# Altium PCB Iris.PcbDoc (part 8 of 13)
Units mm, origin at the board's own origin, x right, y up, seen from the top; angles counter-clockwise.
Board outline 100 x 72 mm, 6 copper layers (Top Layer, PowerPlane1, MidLayer1, MidLayer2, PowerPlane2, Bottom Layer), stack 1.561 mm thick; 396 components, 379 nets, 1616 pads, 658 vias.
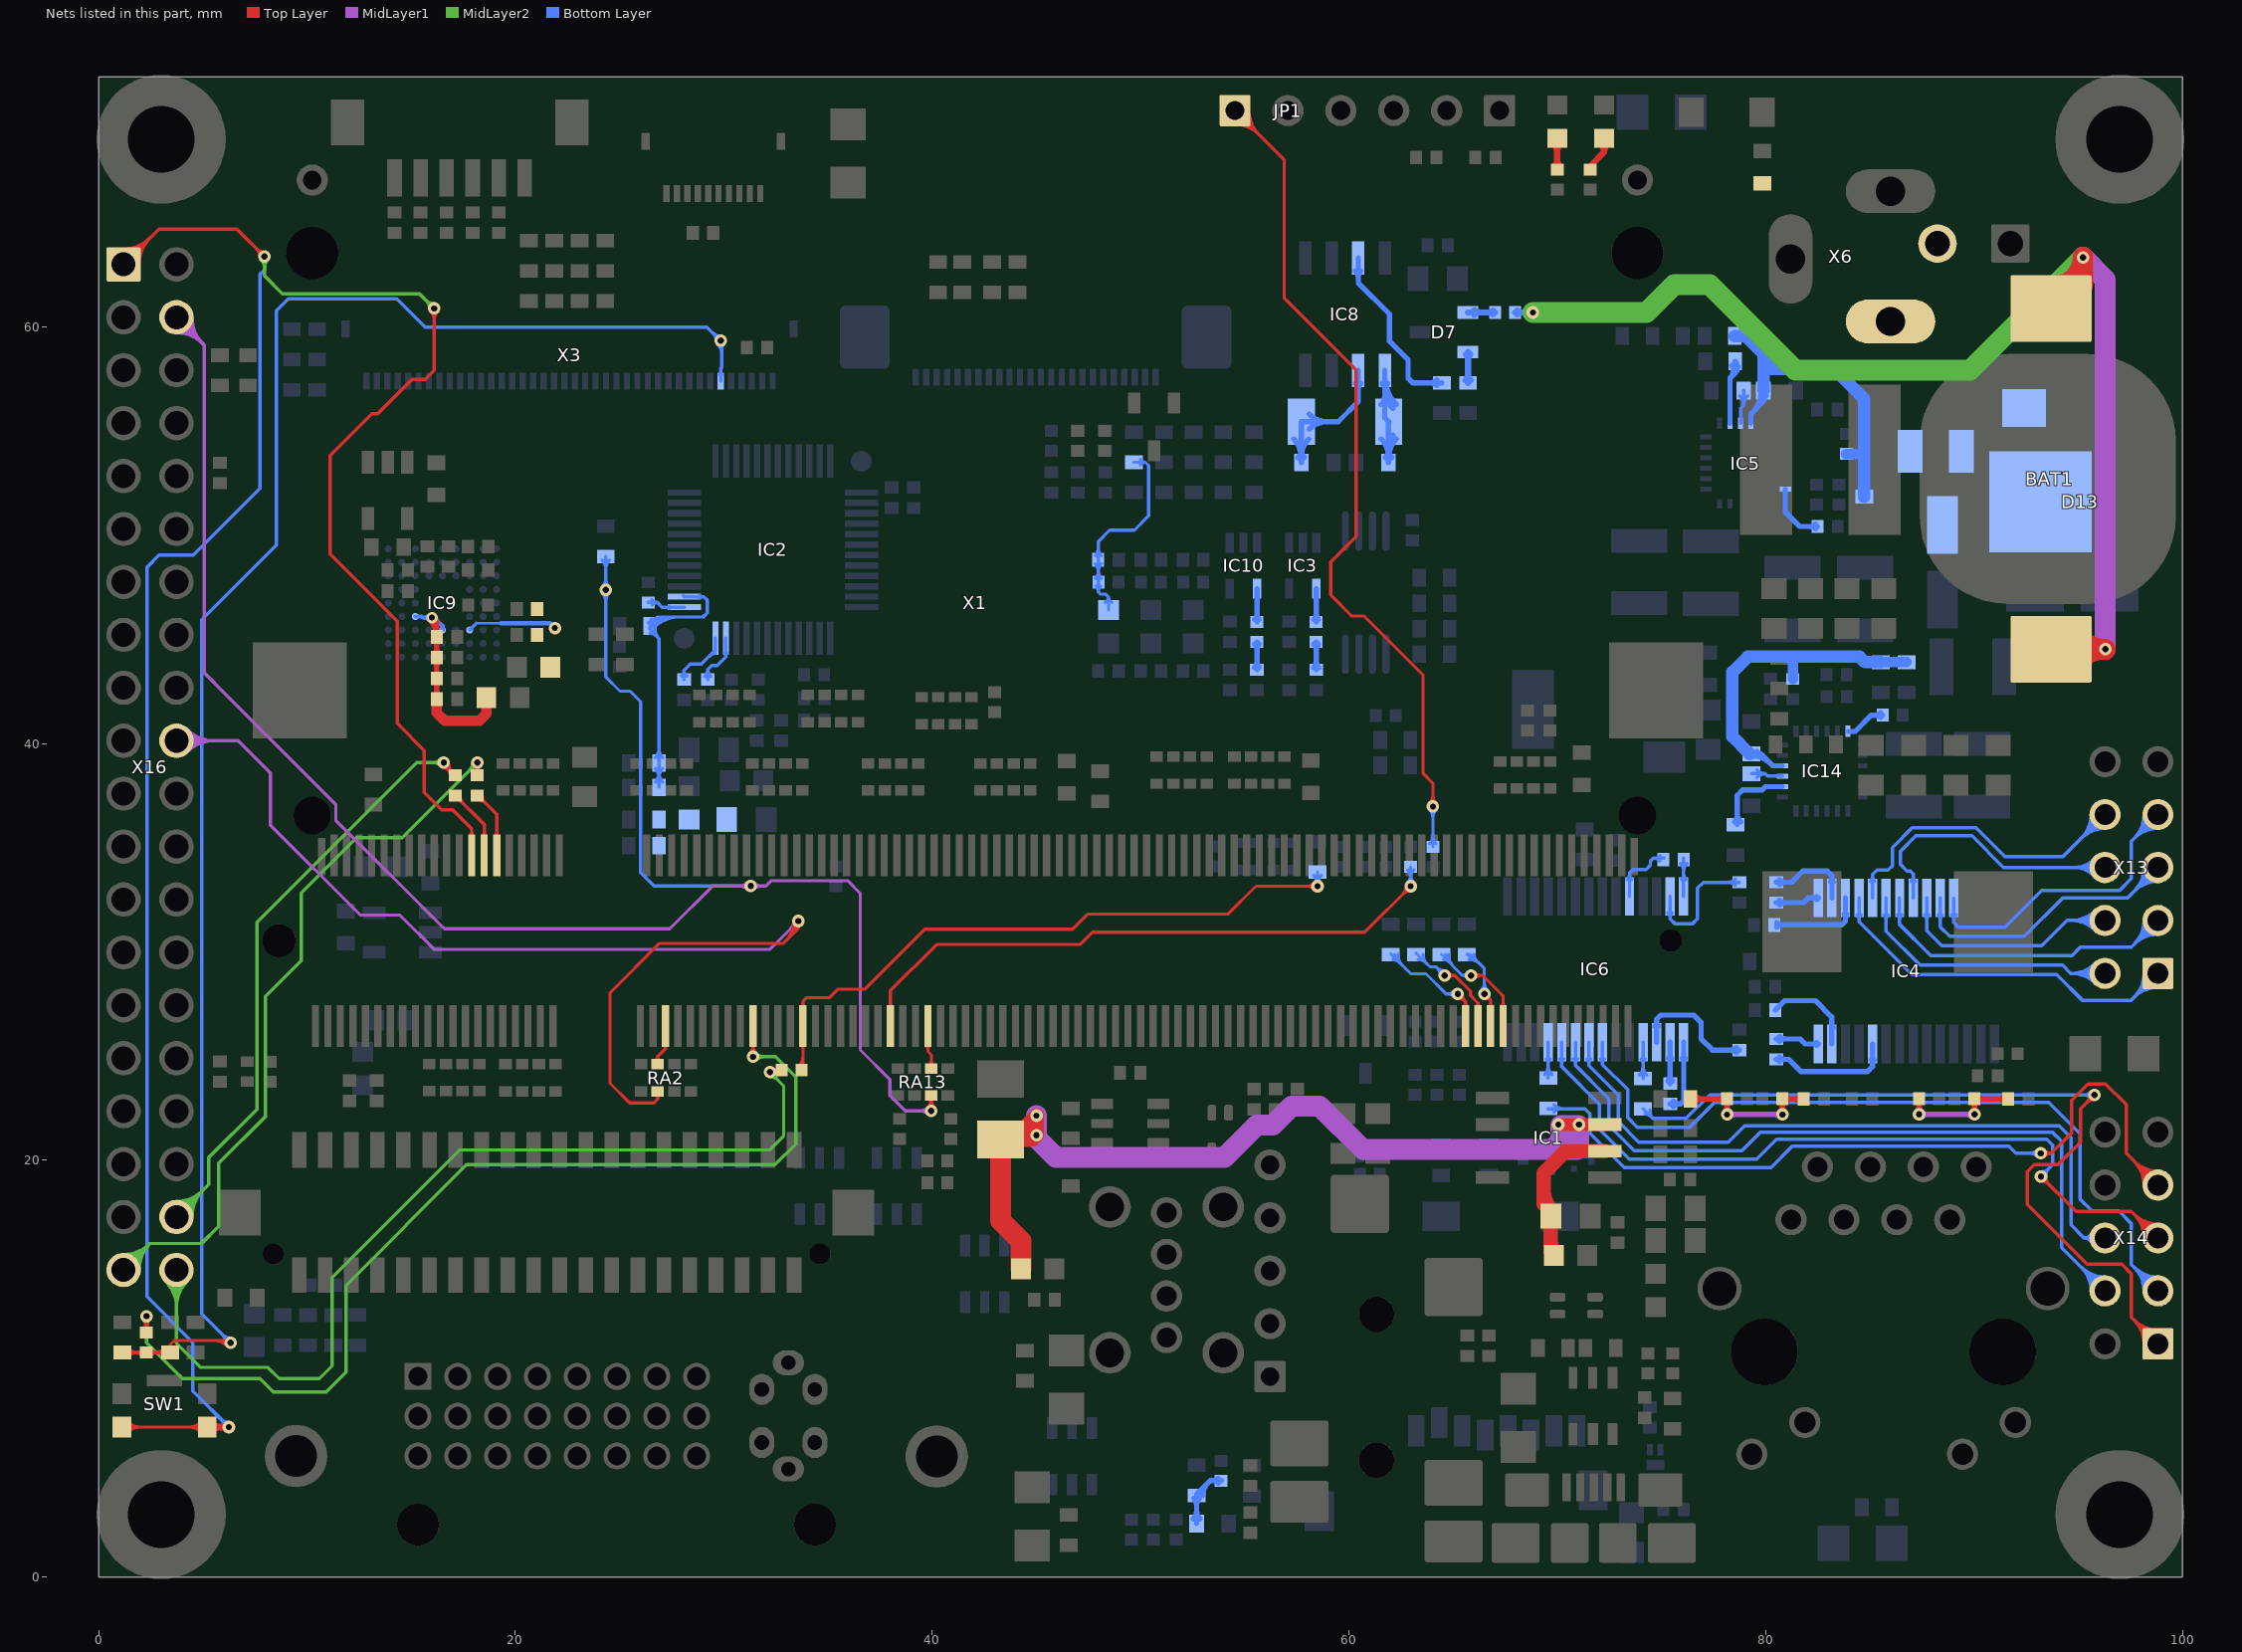
[diagram p12: the nets of this part, all layers, seen from the top]

## Via types
v1: diameter 0.6, hole 0.3, Top Layer to Bottom Layer, tented both sides, 651 vias
v2: diameter 0.55, hole 0.3, Top Layer to Bottom Layer, tented both sides, 7 vias

## Nets (pads, with @x,y where several pads share a name; then routed paths per layer and width w, separated by ;. In a path a pad name is that pad's centre, name@x,y a point inside that pad or via, vN(x,y) a via of type N, cw(c..) or ccw(c..) an arc to the next point about the centre after c; other vN are vias at no path point) (continued)
NetBAT1_1: BAT1.1 R57.1 | length 65.8
  Top Layer w0.6: BAT1.1@93.7,44.53 BAT1.1@94.31,43.92
  Top Layer w1: BAT1.1@93.7,44.53 v1(96.304,44.53) ; BAT1.1@93.7,60.87 95.237,62.407 v1(95.237,63.334) cw(c93.867,63.334) BAT1.1@93.968,61.967 ; BAT1.1@94.043,60.97 ccw(c93.947,62.257) BAT1.1@95.237,62.257 ; BAT1.1@94.917,43.853 cw(c96.304,42.771) v1(96.304,44.53) ; BAT1.1@94.917,45.207 ccw(c96.304,46.289) v1(96.304,44.53)
  MidLayer1 w1: v1(95.237,63.334) 96.304,62.267 v1(96.304,44.53)
  MidLayer2 w1: v1(68.834,60.691) 74.28,60.691 75.616,62.027 77.318,62.027 81.432,57.912 89.815,57.912 v1(95.237,63.334)
  Bottom Layer w0.3: R57.1@67.979,60.691 v1@68.824,60.691 ; R57.1@68.074,60.595 cw(c68.305,60.365) 68.305,60.691 cw(c68.305,61.017) R57.1@68.074,60.786 ; v1@68.728,60.585 ccw(c68.472,60.329) 68.472,60.691 ccw(c68.472,61.053) v1@68.728,60.797
NetC12_1: C12.1 IC2.36 | length 3.8
  Bottom Layer w0.165: C12.1@27.963,43.243 ccw(c27.752,43.51) 28.092,43.51 ; C12.1@28.092,43.081 28.092,43.51 ; C12.1@28.221,43.243 cw(c28.433,43.51) 28.092,43.51 ; 29.341,44.225 cw(c29.6,43.966) IC2.36@29.6,44.333 ; IC2.36@29.6,45.05 29.6,44.484 28.931,43.815 28.397,43.815 28.092,43.51
NetC13_1: C13.1 IC2.35 | length 3.5
  Bottom Layer w0.165: C13.1@29.093,43.232 ccw(c28.784,43.561) 29.235,43.561 ; C13.1@29.235,43.081 29.235,43.561 ; C13.1@29.378,43.232 cw(c29.687,43.561) 29.235,43.561 ; IC2.35@30.052,44.352 cw(c29.937,44.237) 30.1,44.237 cw(c30.263,44.237) IC2.35@30.148,44.352 ; IC2.35@30.1,45.05 30.1,44.146 29.693,43.739 29.413,43.739 29.235,43.561
NetC37_2: C37.2 IC4.27 | length 4.7
  Bottom Layer w0.152: IC4.27@83.173,25.602 IC4.27@83.185,25.59
  Bottom Layer w0.254: C37.2@80.472,27.217 80.915,27.661 82.398,27.661 83.173,26.885 IC4.27@83.173,25.602 ; 83.173,26.556 ccw(c83.451,26.556) IC4.27@83.254,26.359
NetC38_1: C38.1 IC4.24 | length 7
  Bottom Layer w0.254: C38.1@80.508,24.849 81.12,24.849 81.712,24.257 84.887,24.257 85.135,24.505 IC4.24@85.135,25.59 ; C38.1@80.664,24.733 cw(c80.942,24.455) 80.942,24.849 cw(c80.942,25.242) C38.1@80.664,24.964 ; IC4.24@85.066,24.821 cw(c84.898,24.653) 85.135,24.653 cw(c85.372,24.653) IC4.24@85.204,24.821
NetC38_2: C38.2 IC4.28 | length 3.1
  Bottom Layer w0.254: C38.2@80.508,25.829 81.664,25.829 81.903,25.59 IC4.28@82.535,25.59 ; C38.2@80.664,25.713 cw(c80.942,25.435) 80.942,25.829 cw(c80.942,26.222) C38.2@80.664,25.944 ; IC4.28@82.466,25.521 ccw(c82.298,25.353) 82.298,25.59 ccw(c82.298,25.827) IC4.28@82.466,25.659
NetC39_1: C39.1 IC4.3 | length 5.5
  Bottom Layer w0.254: C39.1@80.537,31.184 cw(c80.815,30.906) 80.815,31.299 cw(c80.815,31.693) C39.1@80.537,31.415 ; C39.1@80.549,31.299 83.649,31.299 83.835,31.486 IC4.3@83.835,32.59 ; IC4.3@83.766,31.821 cw(c83.598,31.653) 83.835,31.653 cw(c84.072,31.653) IC4.3@83.904,31.821
NetC40_1: C40.1 IC4.2 | length 5
  Bottom Layer w0.254: C40.1@80.508,33.345 81.25,33.345 81.788,33.884 82.956,33.884 83.185,33.655 IC4.2@83.185,32.59 ; C40.1@80.664,33.23 cw(c80.942,32.952) 80.942,33.345 cw(c80.942,33.739) C40.1@80.664,33.461 ; IC4.2@83.116,33.359 ccw(c82.948,33.527) 83.185,33.527 ccw(c83.422,33.527) IC4.2@83.254,33.359
NetC40_2: C40.2 IC4.1 | length 3.1
  Bottom Layer w0.254: C40.2@80.508,32.365 81.819,32.365 82.044,32.59 IC4.1@82.535,32.59 ; C40.2@80.664,32.25 cw(c80.942,31.972) 80.942,32.365 cw(c80.942,32.759) C40.2@80.664,32.481 ; IC4.1@82.466,32.521 ccw(c82.298,32.353) 82.298,32.59 ccw(c82.298,32.827) IC4.1@82.466,32.659
NetC41_1: C41.1 IC1.7 L17.1 | length 46.9
  Top Layer w0.6: v1(70.053,21.717) IC1.7@72.296,21.717
  Top Layer w0.7: C41.1@43.282,21.004 44.803,21.004 v1(45.009,21.209) v1(45.009,22.149) C41.1@43.864,21.004
  Top Layer w1: C41.1@43.282,21.004 43.282,17.116 44.26,16.138 L17.1@44.26,14.783
  MidLayer1 w1: v1(45.009,22.149) v1(45.009,21.209) 45.009,21.079 45.946,20.142 54.026,20.142 55.575,21.692 56.337,21.692 57.252,22.606 58.598,22.606 60.681,20.523 70.942,20.523 71.044,20.625 71.044,21.666 70.18,21.666 70.18,20.93 69.774,20.523
  Bottom Layer w0.6: v1(70.053,21.717) v1(71.044,21.717)
NetC42_2: C42.2 IC1.6 L18.1 | length 9.4
  Top Layer w0.7: 69.342,18.619 ccw(c70.883,18.619) C42.2@69.793,17.529 ; 69.687,16.119 ccw(c70.501,16.119) L18.1@69.926,15.544 ; L18.1@69.837,15.43 69.687,15.58 69.687,17.562 69.342,17.907 69.342,19.38 70.409,20.447 IC1.6@72.296,20.447
NetC46_2: C46.2 IC6.27 | length 7.5
  Bottom Layer w0.165: IC6.27@75.319,31.869 cw(c75.076,31.626) 75.42,31.626 cw(c75.764,31.626) IC6.27@75.521,31.869 ; IC6.27@75.42,32.67 75.42,31.59 75.667,31.344 76.479,31.344 76.733,31.598 76.733,33.071 77.008,33.345 C46.2@78.74,33.345 ; C46.2@78.553,33.199 ccw(c78.199,32.844) 78.199,33.345 ccw(c78.199,33.846) C46.2@78.553,33.492
NetC47_1: C47.1 IC6.24 | length 4.4
  Bottom Layer w0.165: IC6.24@73.369,33.471 ccw(c73.126,33.714) 73.47,33.714 ccw(c73.814,33.714) IC6.24@73.571,33.471 ; IC6.24@73.47,32.67 73.47,33.795 73.635,33.96 74.27,33.96 74.473,34.163 74.473,34.366 74.618,34.511 ; 74.679,34.511 ccw(c74.679,34.888) C47.1@74.946,34.622 ; C47.1@74.924,34.354 ccw(c74.618,34.133) 74.618,34.511 ; C47.1@75.133,34.511 74.618,34.511
NetC47_2: C47.2 IC6.28 | length 3.2
  Bottom Layer w0.165: C47.2@75.926,34.248 cw(c75.579,33.901) 76.07,33.901 ; IC6.28@75.969,33.471 ccw(c75.726,33.714) 76.07,33.714 ccw(c76.414,33.714) IC6.28@76.171,33.471 ; IC6.28@76.07,32.67 C47.2@76.07,34.511 ; 76.07,33.887 cw(c76.581,33.887) C47.2@76.22,34.248
NetC48_1: C48.1 IC6.3 | length 7.3
  Bottom Layer w0.254: IC6.3@74.701,26.439 ccw(c74.533,26.607) 74.77,26.607 ccw(c75.007,26.607) IC6.3@74.839,26.439 ; IC6.3@74.77,25.67 74.77,26.78 74.965,26.975 76.556,26.975 76.911,26.619 76.911,25.832 77.452,25.291 C48.1@78.74,25.291 ; C48.1@78.585,25.176 ccw(c78.306,24.897) 78.306,25.291 ccw(c78.306,25.685) C48.1@78.585,25.406
NetC49_1: C49.1 IC6.2 | length 3
  Bottom Layer w0.254: C49.1@75.305,23.805 ccw(c75.026,24.084) 75.42,24.084 ccw(c75.814,24.084) C49.1@75.535,23.805 ; IC6.2@75.351,24.901 cw(c75.183,24.733) 75.42,24.733 cw(c75.657,24.733) IC6.2@75.489,24.901 ; C49.1@75.42,23.69 IC6.2@75.42,25.67
NetC49_2: C49.2 IC6.1 | length 4.5
  Bottom Layer w0.254: C49.2@75.42,22.71 75.923,22.71 76.07,22.857 IC6.1@76.07,25.67 ; C49.2@75.575,22.595 cw(c75.854,22.316) 75.854,22.71 cw(c75.854,23.104) C49.2@75.575,22.825 ; IC6.1@76.001,24.901 cw(c75.833,24.733) 76.07,24.733 cw(c76.307,24.733) IC6.1@76.139,24.901
NetC50_2: C50.2 R47.1 R48.2 R121.1 | length 13.4
  Top Layer w0.254: R121.1@76.398,22.949 R48.2@78.152,22.949 v1@78.152,22.099 ; R121.1@76.639,22.809 cw(c76.977,22.471) 76.977,22.949 cw(c76.977,23.427) R121.1@76.639,23.089 ; R48.2@77.965,22.837 ccw(c77.695,22.568) 77.695,22.949 ccw(c77.695,23.33) R48.2@77.965,23.061 ; v1@78.03,22.323 ccw(c77.735,22.618) 78.152,22.618 ccw(c78.57,22.618) v1@78.275,22.323 ; R48.2@78.041,22.812 cw(c77.771,22.543) 78.152,22.543 cw(c78.534,22.543) R48.2@78.264,22.812 ; v1@80.687,22.323 ccw(c80.392,22.618) 80.81,22.618 ccw(c81.227,22.618) v1@80.932,22.323 ; R47.1@80.698,22.812 cw(c80.428,22.543) 80.81,22.543 cw(c81.191,22.543) R47.1@80.921,22.812 ; v1(80.81,22.2) R47.1@80.81,22.949 C50.2@81.827,22.949 ; R47.1@80.972,22.837 cw(c81.242,22.568) 81.242,22.949 cw(c81.242,23.33) R47.1@80.972,23.061 ; C50.2@81.636,22.834 ccw(c81.358,22.555) 81.358,22.949 ccw(c81.358,23.343) C50.2@81.636,23.064
  MidLayer1 w0.254: v1(78.152,22.2) v1(80.81,22.2) ; v1@78.275,22.078 cw(c78.57,21.783) 78.57,22.2 cw(c78.57,22.618) v1@78.275,22.323 ; v1@80.687,22.078 ccw(c80.392,21.783) 80.392,22.2 ccw(c80.392,22.618) v1@80.687,22.323
NetC51_2: C51.2 R51.1 R52.2 | length 10.9
  Top Layer w0.254: v1@87.245,22.323 ccw(c86.95,22.619) 87.368,22.619 ccw(c87.785,22.619) v1@87.49,22.323 ; v1(87.368,22.201) R51.1@87.368,22.949 ; v1@89.903,22.323 ccw(c89.607,22.619) 90.025,22.619 ccw(c90.443,22.619) v1@90.147,22.323 ; R52.2@89.913,22.813 cw(c89.644,22.543) 90.025,22.543 cw(c90.407,22.543) R52.2@90.137,22.813 ; v1(90.025,22.201) R52.2@90.025,22.949 C51.2@91.636,22.949 ; R52.2@90.213,22.838 cw(c90.483,22.568) 90.483,22.949 cw(c90.483,23.331) R52.2@90.213,23.061 ; C51.2@91.444,22.834 ccw(c91.166,22.556) 91.166,22.949 ccw(c91.166,23.343) C51.2@91.444,23.065
  MidLayer1 w0.254: v1(87.368,22.201) v1(90.025,22.201) ; v1@87.49,22.079 cw(c87.785,21.783) 87.785,22.201 cw(c87.785,22.619) v1@87.49,22.323 ; 89.607,22.201 cw(c89.607,21.783) 89.903,22.079 ccw(c89.607,21.783) 89.607,22.201 ; 89.607,22.201 ccw(c89.607,22.619) 89.903,22.323 cw(c89.607,22.619) 89.607,22.201
NetC56_2: C56.2 IC8.1 OSC1.2 | length 11.5
  Bottom Layer w0.254: OSC1.2@61.547,54.628 cw(c60.684,53.765) C56.2@61.905,53.765 ; OSC1.2@61.547,56.268 ccw(c61.125,56.69) 61.722,56.69 ; IC8.1@61.6,57.282 cw(c61.304,56.987) 61.722,56.987 cw(c62.14,56.987) IC8.1@61.844,57.282 ; 61.722,57.018 ccw(c63.037,57.018) OSC1.2@62.107,56.088 ; IC8.1@61.722,57.632 ccw(c63.65,57.632) OSC1.2@62.287,56.268 ; IC8.1@61.722,57.904 61.722,55.643 OSC1.2@61.917,55.448 61.905,55.436 C56.2@61.905,53.492 ; C56.2@61.747,53.725 ccw(c61.366,54.106) 61.905,54.106 ccw(c62.443,54.106) C56.2@62.062,53.725 ; C56.2@61.905,53.706 cw(c63.21,53.706) OSC1.2@62.287,54.628 ; 61.905,54.319 cw(c62.596,54.319) OSC1.2@62.107,54.808
NetC57_2: C57.2 IC8.2 OSC1.1 | length 12
  Bottom Layer w0.254: OSC1.1@57.347,54.628 cw(c56.454,53.736) 57.717,53.736 cw(c58.98,53.736) OSC1.1@58.087,54.628 ; C57.2@57.559,53.725 ccw(c57.179,54.106) 57.717,54.106 ccw(c58.255,54.106) C57.2@57.875,53.725 ; C57.2@57.717,53.492 OSC1.1@57.717,55.448 59.487,55.448 60.452,56.413 IC8.2@60.452,57.904 ; OSC1.1@58.087,55.078 cw(c58.98,54.186) 58.98,55.448 cw(c58.98,56.711) OSC1.1@58.087,55.818 ; IC8.2@60.33,57.282 cw(c60.034,56.987) 60.452,56.987 cw(c60.87,56.987) IC8.2@60.574,57.282
NetC59_2: C59.2 IC5.21 R62.1 R64.1 R65.2 | length 19.8
  Bottom Layer w0.25: IC5.21@79.295,55.367 79.295,55.825 79.895,56.426 ; 79.396,55.927 ccw(c78.477,56.846) C59.2@79.773,56.955 ; 79.676,56.206 ccw(c79.079,56.804) C59.2@79.92,56.874 ; C59.2@79.762,56.691 cw(c79.566,56.426) 79.895,56.426 ; C59.2@79.895,56.972 79.895,56.426 ; C59.2@80.029,56.691 ccw(c80.225,56.426) 79.895,56.426
  Bottom Layer w0.5: R64.1@83.871,53.901 84.734,53.901
  Bottom Layer w0.6: R62.1@78.525,59.563 79.045,59.563 80.594,58.014 ; C59.2@79.895,56.947 79.895,58.712 ; 79.895,57.988 83.287,57.988 84.734,56.54 R65.2@84.734,51.855
NetC62_2: C62.2 IC5.20 | length 2.6
  Bottom Layer w0.165: C62.2@78.756,56.681 cw(c78.319,56.235) 78.943,56.235 ; IC5.20@78.797,55.369 78.797,56.09 78.943,56.235 ; C62.2@78.943,56.947 78.943,56.235 ; C62.2@79.13,56.681 ccw(c79.566,56.235) 78.943,56.235
NetC71_2: C71.2 IC14.20 | length 2.4
  Bottom Layer w0.165: C71.2@79.324,38.557 79.985,38.557 ; C71.2@79.601,38.382 cw(c79.985,38.049) 79.985,38.557 ; C71.2@79.601,38.732 ccw(c79.985,39.064) 79.985,38.557 ; IC14.20@80.802,38.434 80.8,38.437 80.105,38.437 79.985,38.557
NetC80_2: C80.2 IC14.21 R71.1 R150.1 R151.2 | length 17.9
  Bottom Layer w0.25: C80.2@79.236,39.509 79.769,39.509 ; C80.2@79.312,39.386 cw(c79.39,38.183) 80.243,39.036 ; C80.2@79.398,39.534 cw(c79.444,38.815) 79.954,39.325 ; C80.2@79.599,39.406 cw(c79.769,39.318) 79.769,39.509 ; C80.2@79.599,39.613 ccw(c79.769,39.701) 79.769,39.509 ; IC14.21@80.802,38.934 80.344,38.934 79.769,39.509
  Bottom Layer w0.5: R150.1@81.305,43.101 81.305,44.143 ; R71.1@85.522,43.905 R151.2@86.766,43.905
  Bottom Layer w0.6: C80.2@79.236,39.509 78.41,40.335 78.41,43.434 79.146,44.171 84.506,44.171 84.771,43.905 R71.1@85.522,43.905
NetC88_2: C88.2 R38.2 R124.1 | length 5.7
  Bottom Layer w0.254: C88.2@52.534,2.798 ccw(c52.154,3.179) 52.692,3.179 ccw(c53.23,3.179) C88.2@52.85,2.798 ; R38.2@52.552,3.783 cw(c52.214,3.445) 52.692,3.445 cw(c53.17,3.445) R38.2@52.832,3.783 ; C88.2@52.692,2.565 R38.2@52.692,3.923 52.692,3.975 53.343,4.625 R124.1@53.873,4.625 ; R38.2@52.99,3.923 cw(c53.834,3.923) 53.237,4.52 ; R124.1@53.737,4.514 ccw(c53.467,4.244) 53.467,4.625 ccw(c53.467,5.007) R124.1@53.737,4.737
NetC102_2: C102.2 L21.1 R6.2 R99.2
NetC121_2: C121.2 C122.2 C123.2 C125.2 IC9.C5 IC9.D3 L9.2 | length 17.1
  Top Layer w0.254: v2@15.887,45.945 cw(c15.077,45.134) C123.2@16.223,45.134 ; v2@15.992,46.075 16.223,45.843 ; v2@16.021,45.904 cw(c16.066,45.686) 16.223,45.843 ; v2@16.067,46.124 cw(c15.69,45.747) 16.223,45.747 ; C121.2@16.108,42.294 ccw(c15.83,42.572) 16.223,42.572 ccw(c16.617,42.572) C121.2@16.338,42.294 ; C122.2@16.108,42.974 cw(c15.83,42.696) 16.223,42.696 cw(c16.617,42.696) C122.2@16.338,42.974 ; C122.2@16.108,43.284 ccw(c15.83,43.563) 16.223,43.563 ccw(c16.617,43.563) C122.2@16.338,43.284 ; C125.2@16.108,43.973 cw(c15.83,43.694) 16.223,43.694 cw(c16.617,43.694) C125.2@16.338,43.973 ; C125.2@16.108,44.283 ccw(c15.83,44.561) 16.223,44.561 ccw(c16.617,44.561) C125.2@16.338,44.283 ; C123.2@16.108,44.963 cw(c15.83,44.685) 16.223,44.685 cw(c16.617,44.685) C123.2@16.338,44.963 ; C123.2@16.108,45.274 ccw(c15.83,45.552) 16.223,45.552 ccw(c16.617,45.552) C123.2@16.338,45.274 ; v2@16.14,46.048 ccw(c16.424,46.044) 16.223,45.843 ; C121.2@16.223,42.139 16.223,45.068 16.223,45.843
  Top Layer w0.5: C121.2@16.223,42.139 16.223,41.486 16.612,41.097 18.263,41.097 18.606,41.44 L9.2@18.606,42.215
  Bottom Layer w0.2: IC9.D3@15.2,46.1 15.495,46.1 15.546,46.049 16.105,46.049 16.5,45.654 IC9.C5@16.5,45.45 ; v2@15.868,45.925 ccw(c15.57,45.627) 15.57,46.049 ccw(c15.57,46.472) v2@15.868,46.173 ; v2@15.992,45.874 cw(c15.992,45.18) 16.483,45.671
  other v2: 15.992,46.049
NetC124_2: C124.2 C126.2 IC9.C7 L10.2 | length 4.6
  Bottom Layer w0.105: 18.125,45.775 19.304,45.775
  Bottom Layer w0.15: IC9.C7@17.8,45.45 18.125,45.775 ; IC9.C7@17.8,45.52 ccw(c17.8,45.689) 17.919,45.569 ccw(c18.039,45.45) IC9.C7@17.87,45.45
  Bottom Layer w0.2: 19.304,45.775 21.662,45.775 v1(21.891,45.546)
NetD7_1: D7.1 R57.2 | length 2.4
  Bottom Layer w0.3: D7.1@65.717,60.691 R57.2@67.019,60.691 ; D7.1@66.023,60.585 cw(c66.279,60.329) 66.279,60.691 cw(c66.279,61.053) D7.1@66.023,60.797 ; R57.2@66.923,60.595 ccw(c66.693,60.365) 66.693,60.691 ccw(c66.693,61.017) R57.2@66.923,60.786
NetD7_2: D7.2 R56.1 | length 2.7
  Bottom Layer w0.3: R56.1@65.593,57.44 ccw(c65.294,57.739) 65.717,57.739 ccw(c66.139,57.739) R56.1@65.841,57.44 ; D7.2@65.611,58.685 cw(c65.355,58.429) 65.717,58.429 cw(c66.079,58.429) D7.2@65.823,58.685 ; R56.1@65.717,57.316 D7.2@65.717,58.791
NetD8_1: D8.1 D13.K F1.2 L29.1
NetIC2_37: IC2.37 R34.2 | length 2.7
  Bottom Layer w0.165: R34.2@26.371,46.774 26.81,46.774 ; R34.2@26.556,46.65 cw(c26.81,46.452) 26.81,46.774 ; R34.2@26.556,46.898 ccw(c26.81,47.096) 26.81,46.774 ; IC2.37@27.402,46.502 ccw(c27.287,46.387) 27.287,46.55 ccw(c27.287,46.713) IC2.37@27.402,46.598 ; IC2.37@28.1,46.55 27.034,46.55 26.81,46.774
NetIC2_38: IC2.38 R29.2 R92.2 R114.2 | length 20.5
  Bottom Layer w0.152: IC2.38@28.044,47.106 IC2.38@28.1,47.05
  Bottom Layer w0.165: R92.2@26.393,45.806 cw(c27.045,45.154) 27.045,46.076 ; R92.2@26.455,45.301 cw(c26.455,44.876) 26.756,45.177 ; R92.2@26.51,45.689 cw(c27.443,44.756) 27.443,46.076 ; R92.2@26.511,45.98 ccw(c26.593,46.33) 26.848,46.076 ; R92.2@26.627,45.572 cw(c27.842,44.357) 27.842,46.076 ; R92.2@26.697,45.533 ccw(c27.346,45.505) 26.887,45.046 ; R92.2@26.698,45.744 cw(c27.136,45.744) 26.826,46.054 ; R29.2@26.716,38.168 ccw(c26.302,38.582) 26.887,38.582 ccw(c27.472,38.582) R29.2@27.058,38.168 ; R114.2@26.716,38.794 cw(c26.302,38.38) 26.887,38.38 cw(c27.472,38.38) R114.2@27.058,38.794 ; R114.2@26.716,39.337 ccw(c26.302,39.751) 26.887,39.751 ccw(c27.472,39.751) R114.2@27.058,39.337 ; R29.2@26.887,37.922 R114.2@26.887,39.065 26.887,45.046 ; IC2.38@28.1,47.05 29.048,47.05 29.21,46.888 29.21,46.279 29.007,46.076 26.848,46.076 ; IC2.38@28.823,47.002 cw(c28.938,46.887) 28.938,47.05 cw(c28.938,47.213) IC2.38@28.823,47.098 ; 26.848,46.076 26.455,45.683 R92.2@26.455,45.644 26.455,45.478 26.887,45.046
NetIC3_4: IC3.4 R97.1 | length 2.2
  Bottom Layer w0.254: R97.1@58.323,45.956 ccw(c58.054,46.226) 58.435,46.226 ccw(c58.816,46.226) R97.1@58.547,45.956 ; R97.1@58.435,45.844 IC3.4@58.435,47.439
NetIC5_6: IC5.6 R68.1 | length 3.6
  Bottom Layer w0.25: IC5.6@80.945,52.217 80.945,51.11 81.636,50.419 R68.1@82.502,50.419 ; R68.1@82.389,50.306 ccw(c82.116,50.033) 82.116,50.419 ccw(c82.116,50.805) R68.1@82.389,50.532
NetIC5_19: IC5.19 R72.2 | length 4.9
  Bottom Layer w0.254: IC5.19@78.295,55.367 78.295,57.543 ; R72.2@78.378,58.147 cw(c77.938,57.9) 78.295,57.543 ; R72.2@78.418,58.097 cw(c78.15,57.799) 78.551,57.799 ; 78.532,57.78 ccw(c78.242,58.07) R72.2@78.599,58.271 ; R72.2@78.551,58.344 78.551,57.799 ; R72.2@78.683,58.097 ccw(c78.952,57.799) 78.551,57.799 ; 78.295,57.543 78.551,57.799
NetIC8_7: IC8.7 R53.1 | length 9.9
  Bottom Layer w0.254: IC8.7@60.33,62.682 cw(c60.034,62.387) 60.452,62.387 cw(c60.87,62.387) IC8.7@60.574,62.682 ; IC8.7@60.452,63.304 60.452,62.103 61.951,60.604 61.951,59.309 62.84,58.42 62.84,57.531 63.054,57.316 R53.1@64.465,57.316 ; R53.1@64.225,57.176 ccw(c63.887,56.838) 63.887,57.316 ccw(c63.887,57.794) R53.1@64.225,57.456
NetIC10_4: IC10.4 R76.1 | length 2.2
  Bottom Layer w0.254: R76.1@55.478,45.956 ccw(c55.209,46.226) 55.59,46.226 ccw(c55.972,46.226) R76.1@55.702,45.956 ; R76.1@55.59,45.844 IC10.4@55.59,47.439
NetIC14_6: IC14.6 R152.1 | length 2.6
  Bottom Layer w0.25: IC14.6@83.952,40.584 84.298,40.584 85.077,41.363 R152.1@85.626,41.363 ; R152.1@85.513,41.25 ccw(c85.24,40.977) 85.24,41.363 ccw(c85.24,41.75) R152.1@85.513,41.477
NetIC14_19: IC14.19 R155.2 | length 4.5
  Bottom Layer w0.254: R155.2@78.522,36.247 ccw(c78.242,36.528) 78.638,36.528 ; R155.2@78.638,36.116 78.638,37.516 78.892,37.77 79.832,37.77 79.997,37.934 IC14.19@80.802,37.934 ; 78.638,36.643 ccw(c79.198,36.643) R155.2@78.802,36.247
NetL1_1: L1.1 R97.2 | length 2.6
  Bottom Layer w0.254: L1.1@58.32,43.658 ccw(c58.041,43.937) 58.435,43.937 ccw(c58.828,43.936) L1.1@58.55,43.658 ; R97.2@58.323,44.773 cw(c58.054,44.503) 58.435,44.503 cw(c58.816,44.503) R97.2@58.547,44.773 ; L1.1@58.435,43.543 R97.2@58.435,44.884
NetL2_1: L2.1 R76.2 | length 2.6
  Bottom Layer w0.254: L2.1@55.475,43.658 ccw(c55.197,43.936) 55.59,43.936 ccw(c55.984,43.936) L2.1@55.705,43.658 ; R76.2@55.478,44.773 cw(c55.209,44.503) 55.59,44.503 cw(c55.972,44.503) R76.2@55.702,44.773 ; L2.1@55.59,43.543 R76.2@55.59,44.884
NetLED1_2: LED1.2 R81.1 | length 2.8
  Top Layer w0.3: R81.1@71.59,67.547 71.59,67.729 72.25,68.389 ; LED1.2@72.052,68.828 cw(c71.666,68.389) 72.25,68.389 ; LED1.2@72.25,69.053 72.25,68.389 ; LED1.2@72.448,68.828 ccw(c72.834,68.389) 72.25,68.389
NetLED2_2: LED2.2 R82.1 | length 3.2
  Top Layer w0.3: LED2.2@69.788,68.841 cw(c69.276,68.329) 70,68.329 cw(c70.724,68.329) LED2.2@70.212,68.841 ; R82.1@69.905,67.77 ccw(c69.674,68) 70,68 ccw(c70.326,68) R82.1@70.095,67.77 ; R82.1@70,67.547 LED2.2@70,69.053
NetR100_2: R100.2 X1.81 | length 32.5
  Top Layer w0.152: X1.81@37.93,27.392 ccw(c37.761,27.56) 38,27.56 ccw(c38.239,27.56) X1.81@38.07,27.392 ; X1.81@38,26.446 38,28.145 40.213,30.358 47.097,30.358 47.688,30.949 60.76,30.949 v1(62.967,33.156) ; v1@62.743,33.156 cw(c62.203,33.156) 62.585,32.774 cw(c62.967,32.392) v1@62.967,32.932